# Altium PCB proj_arhipov_control_doard.PcbDoc (part 1 of 2)
Units mm, origin at the board's own origin, x right, y up, seen from the top; angles counter-clockwise.
Board outline 74.9 x 74.9 mm, 4 copper layers (Top Layer, Signal Layer 1, Signal Layer 2, Bottom Layer), stack 1.522 mm thick; 98 components, 69 nets, 372 pads, 821 vias.
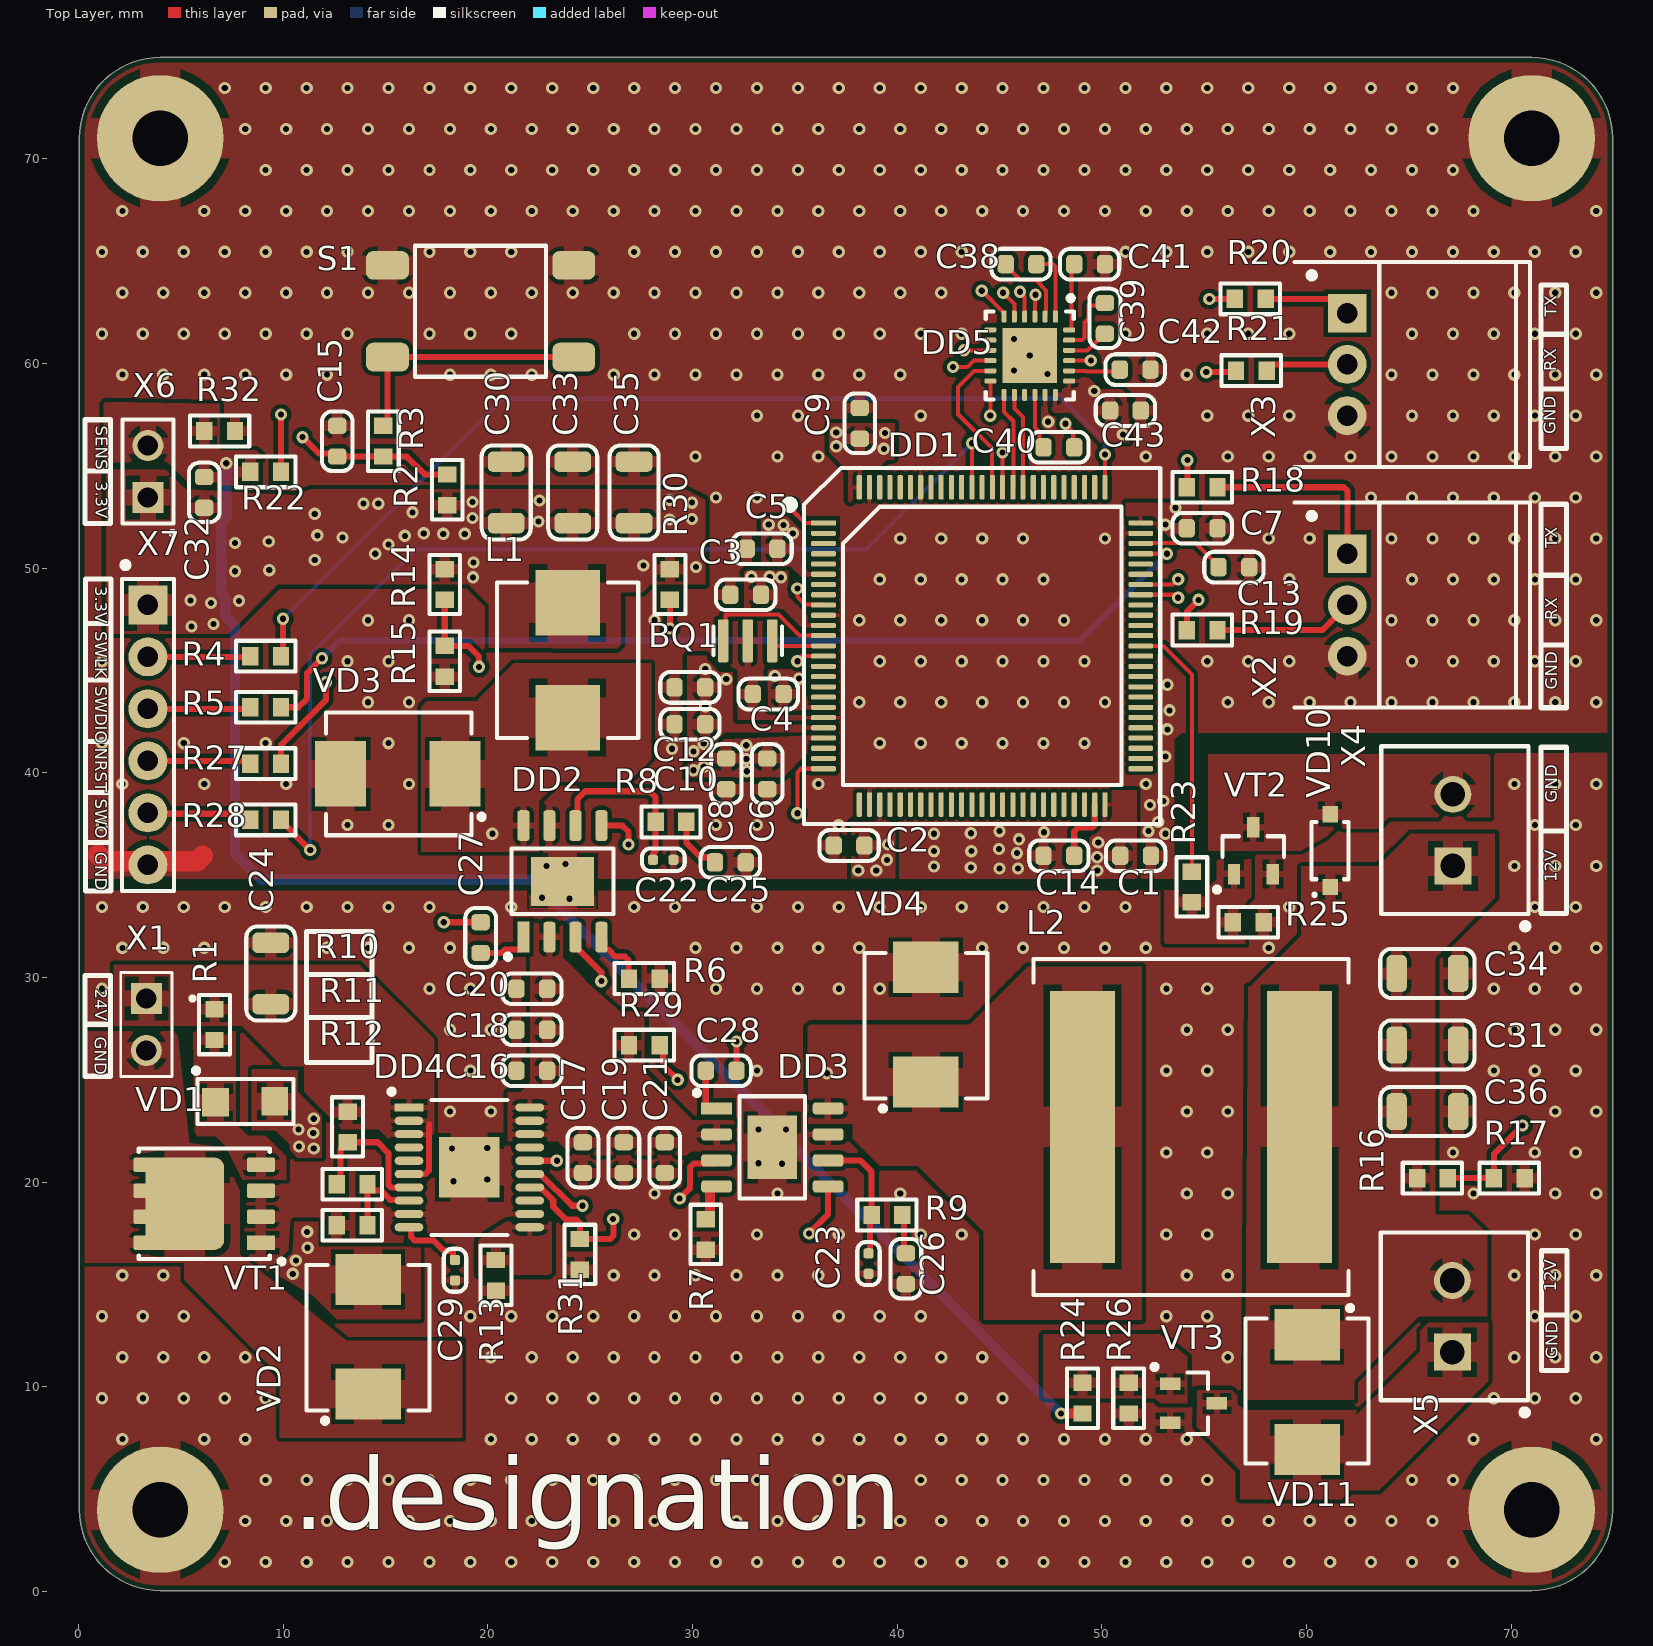
[diagram p0: Top Layer view]
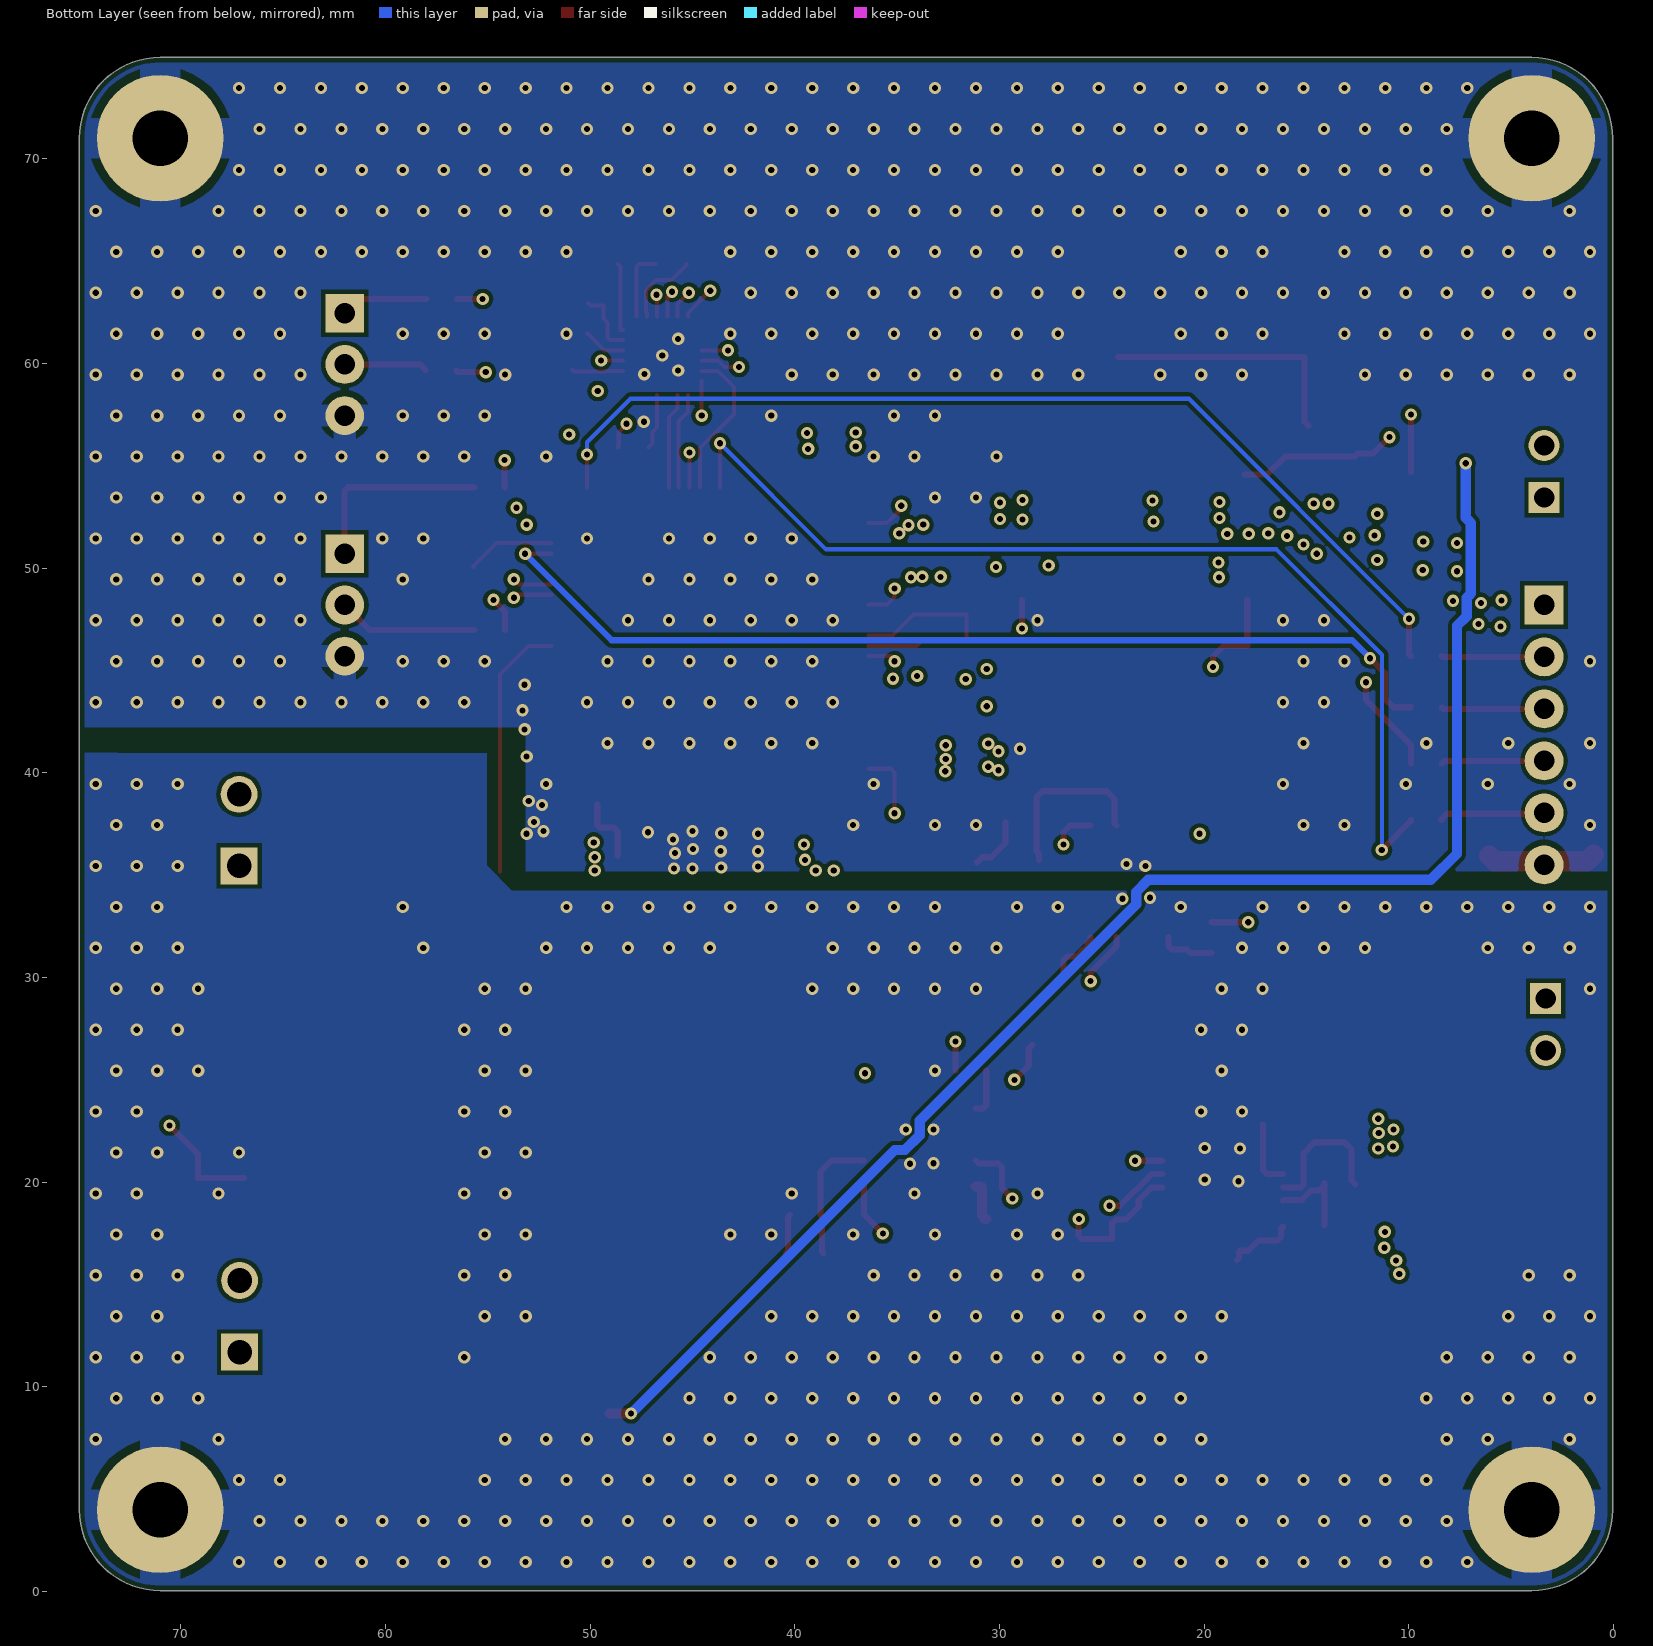
[diagram p1: Bottom Layer view, seen from below]
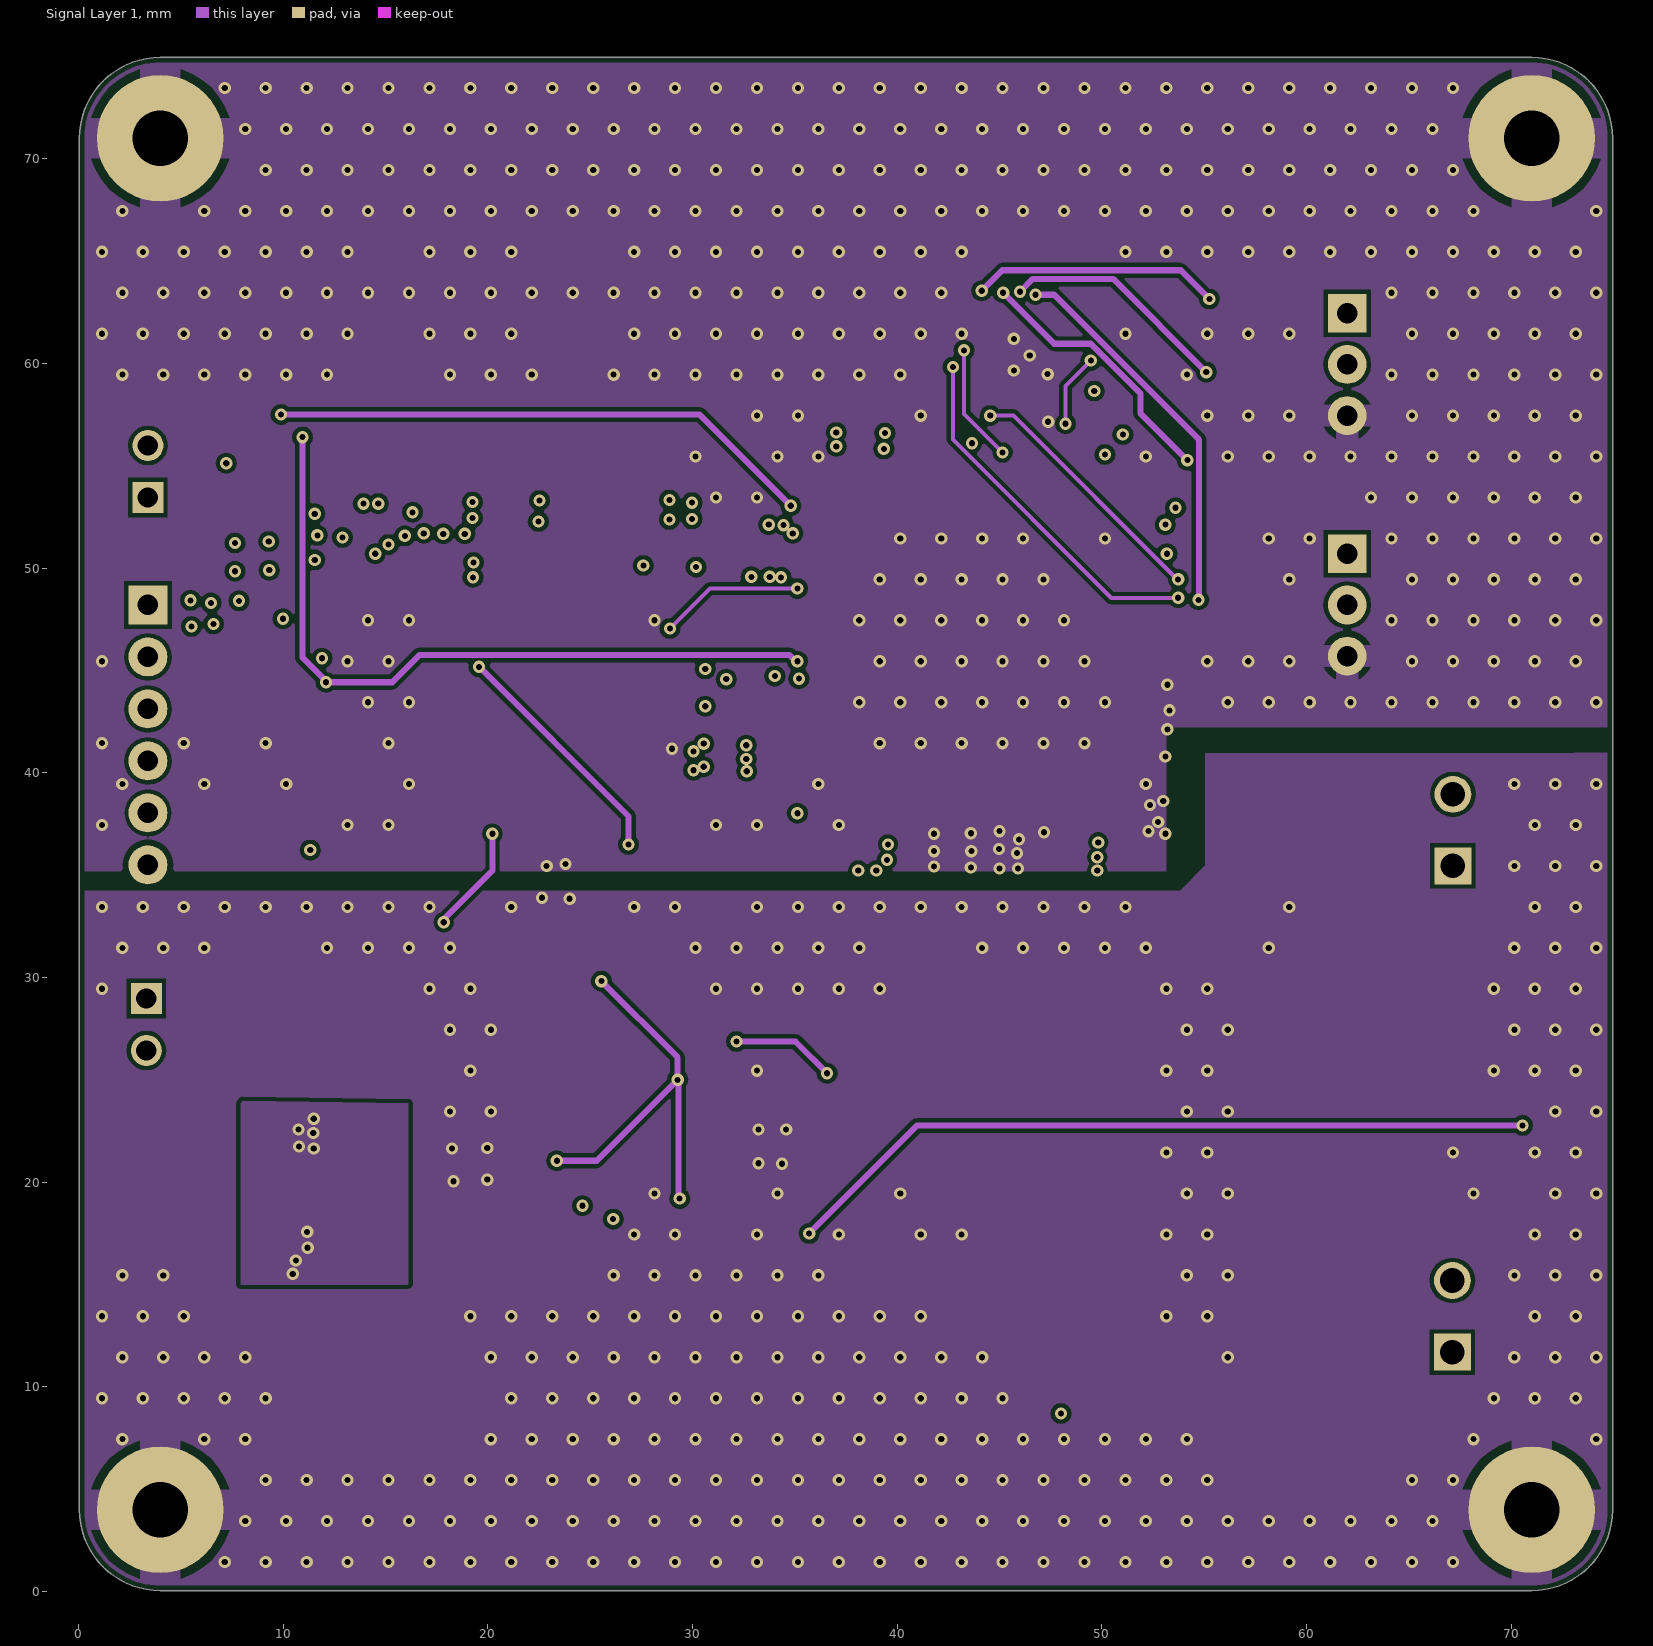
[diagram p2: Signal Layer 1]
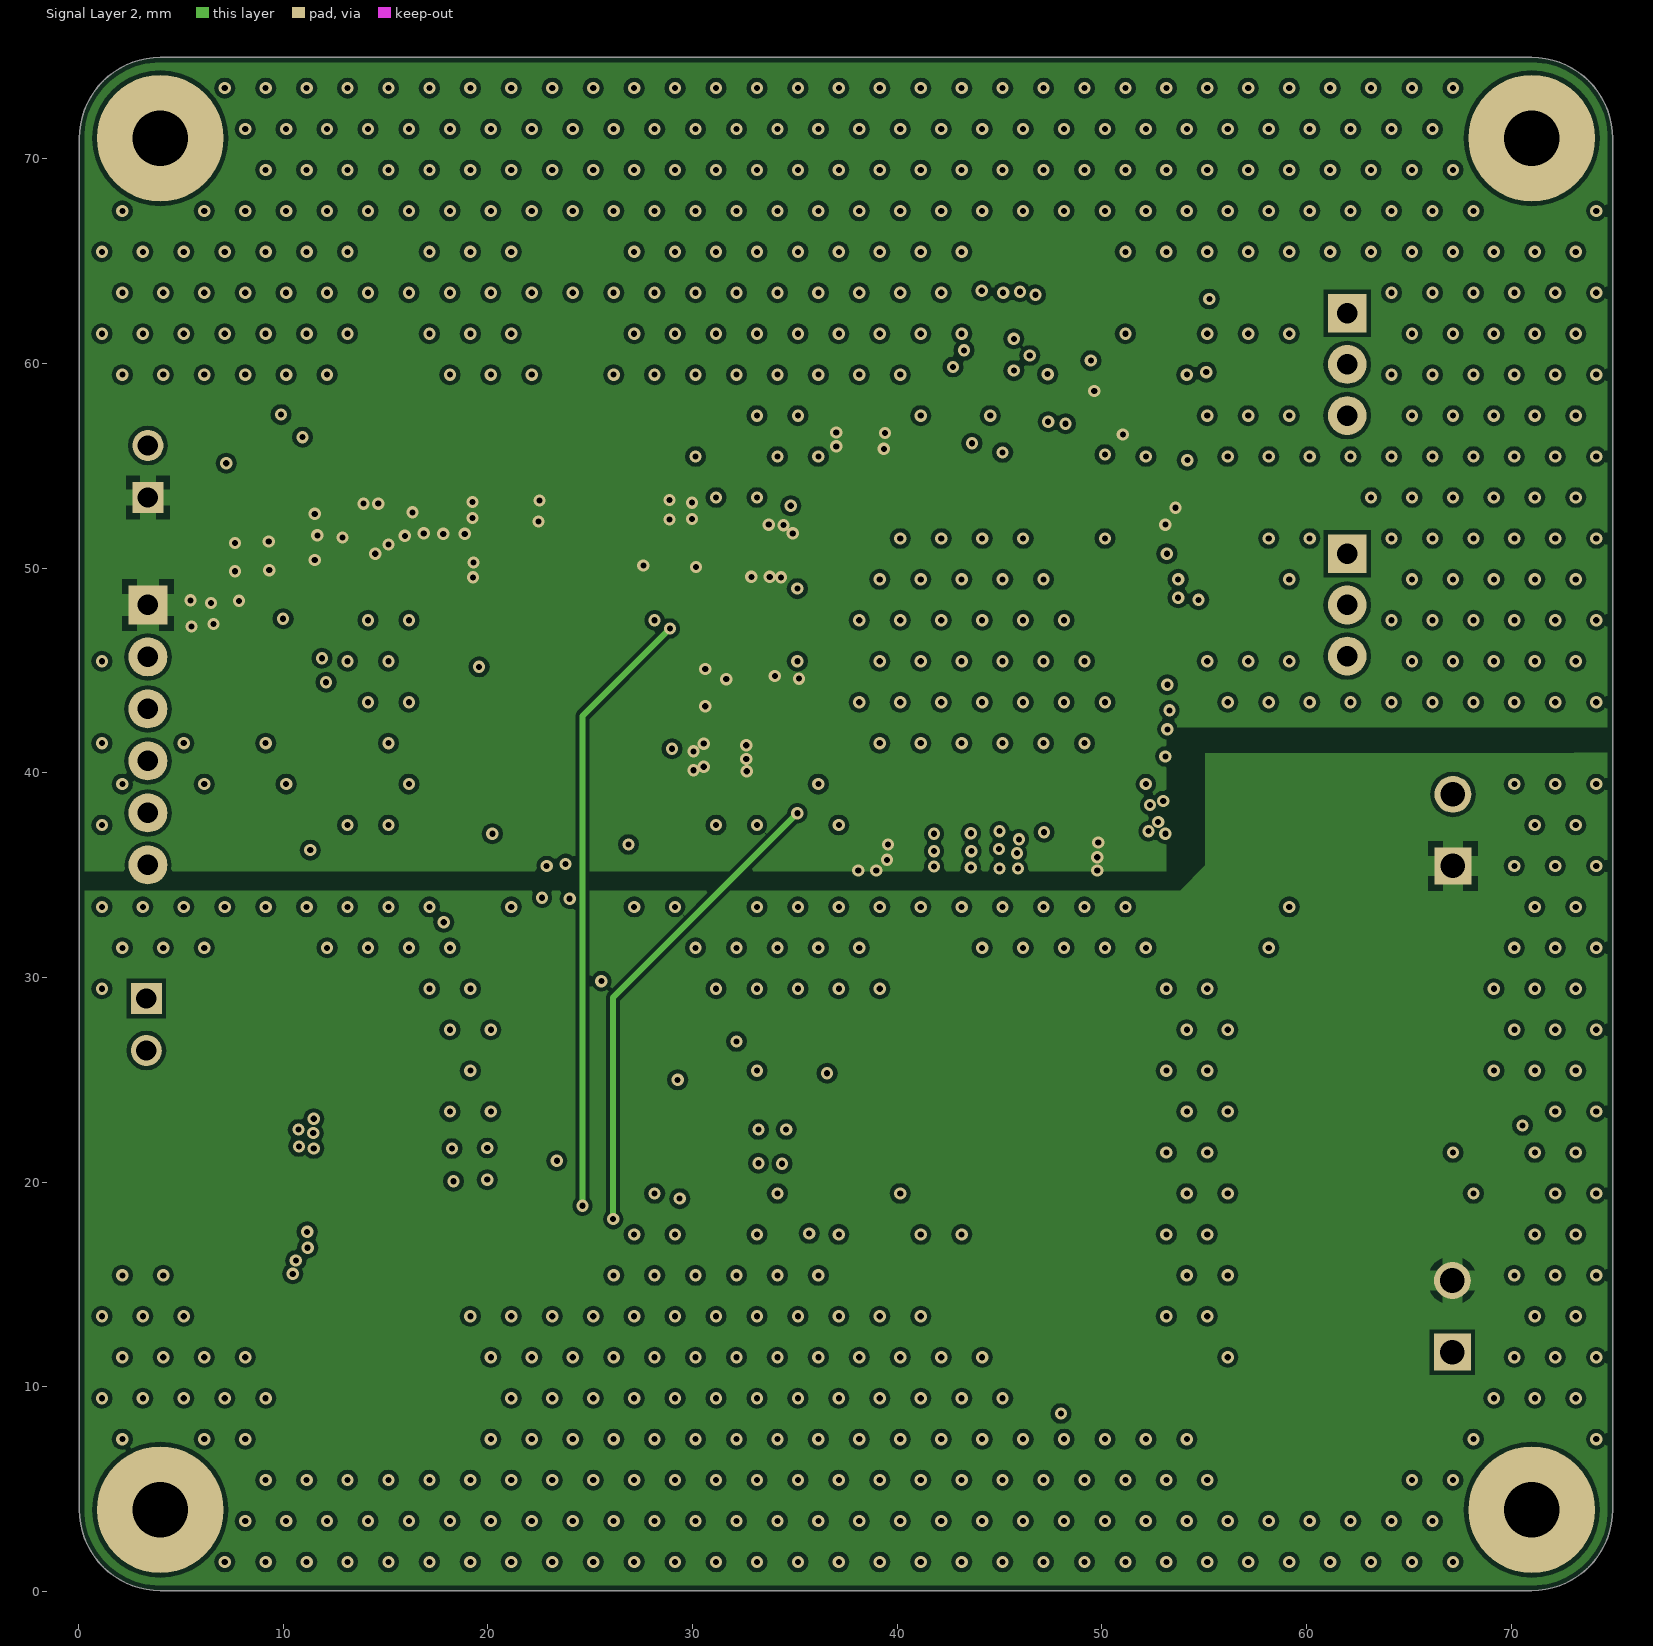
[diagram p3: Signal Layer 2]
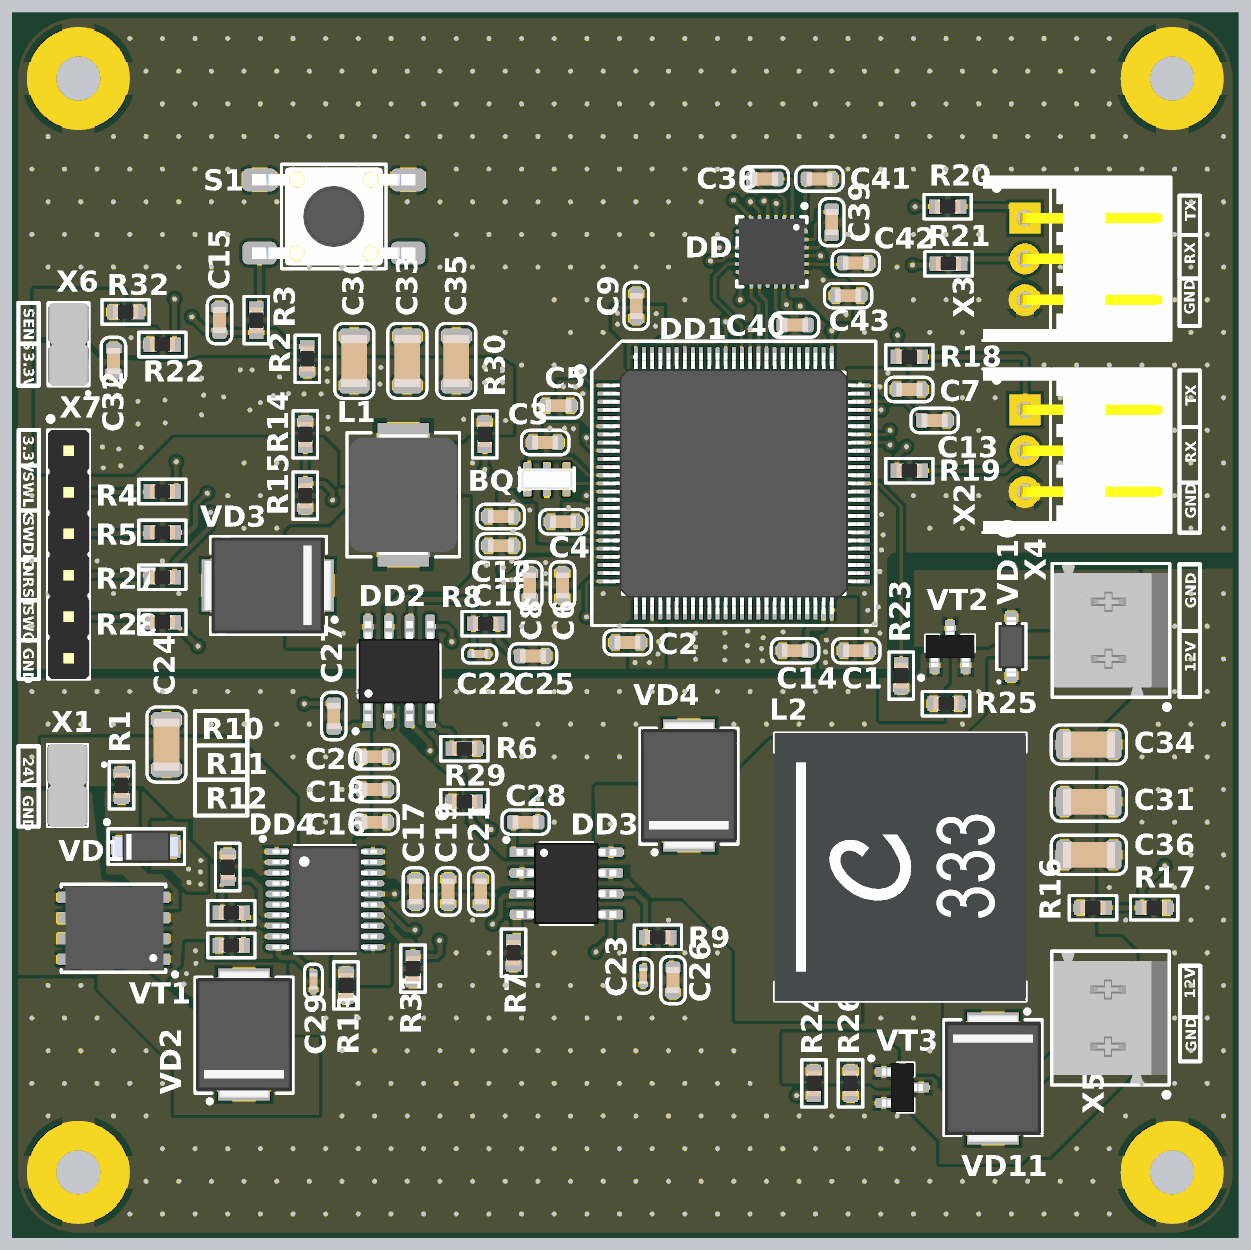
[diagram p5: 3D render of the assembled board from above, using the file's embedded part models]

## Layer stack, top to bottom
Top Solder: solder mask 0.0102, Solder Resist, Dk 3.5
Top Layer: signal copper 0.018
Prepreg 1: prepreg 0.125, FR4 HiTg170, Dk 5.07
Signal Layer 1: signal copper 0.018
Core 1: core 1.2, FR4, Dk 4.6
Signal Layer 2: signal copper 0.018
Prepreg 2: prepreg 0.125, FR4 HiTg170, Dk 5.07
Bottom Layer: signal copper 0.018
Bottom Solder: solder mask 0.0102, Solder Resist, Dk 3.5

## Board outline
0.05,4 0.05,11.499 ccw(c0,11.5) 0.05,11.5 0.05,62.75 ccw(c0,62.75) 0.05,62.751 0.05,71.006 0.05,71 cw(c4,71) 3.999,74.95 ccw(c4,75) 4,74.95 71,74.95 ccw(c71,75) 71,74.95 cw(c71,71) 74.95,71 cw(c71,71) 74.95,71 ccw(c75,71) 74.95,71 cw(c75,71) 74.95,71 74.95,60.001 ccw(c75,60) 74.95,60 74.95,4 74.95,60.001 74.95,4 ccw(c75,4) 74.95,4 cw(c71,4) 74.95,3.999 cw(c75,4) 74.95,4 74.95,3.999 cw(c71,4) 71,0.05 ccw(c71,0) 70.999,0.05 4,0.05 cw(c4,4)
